# Altium PCB cam_cross_link_generic.PcbDoc (part 3 of 4)
Units mm, origin at the board's own origin, x right, y up, seen from the top; angles counter-clockwise.
Board outline 68.55 x 39.09 mm, 6 copper layers (Signal_T, GND_T, PWR, Signal_INT, GND_B, Signal_B), stack 0.816 mm thick; 173 components, 131 nets, 841 pads, 884 vias.
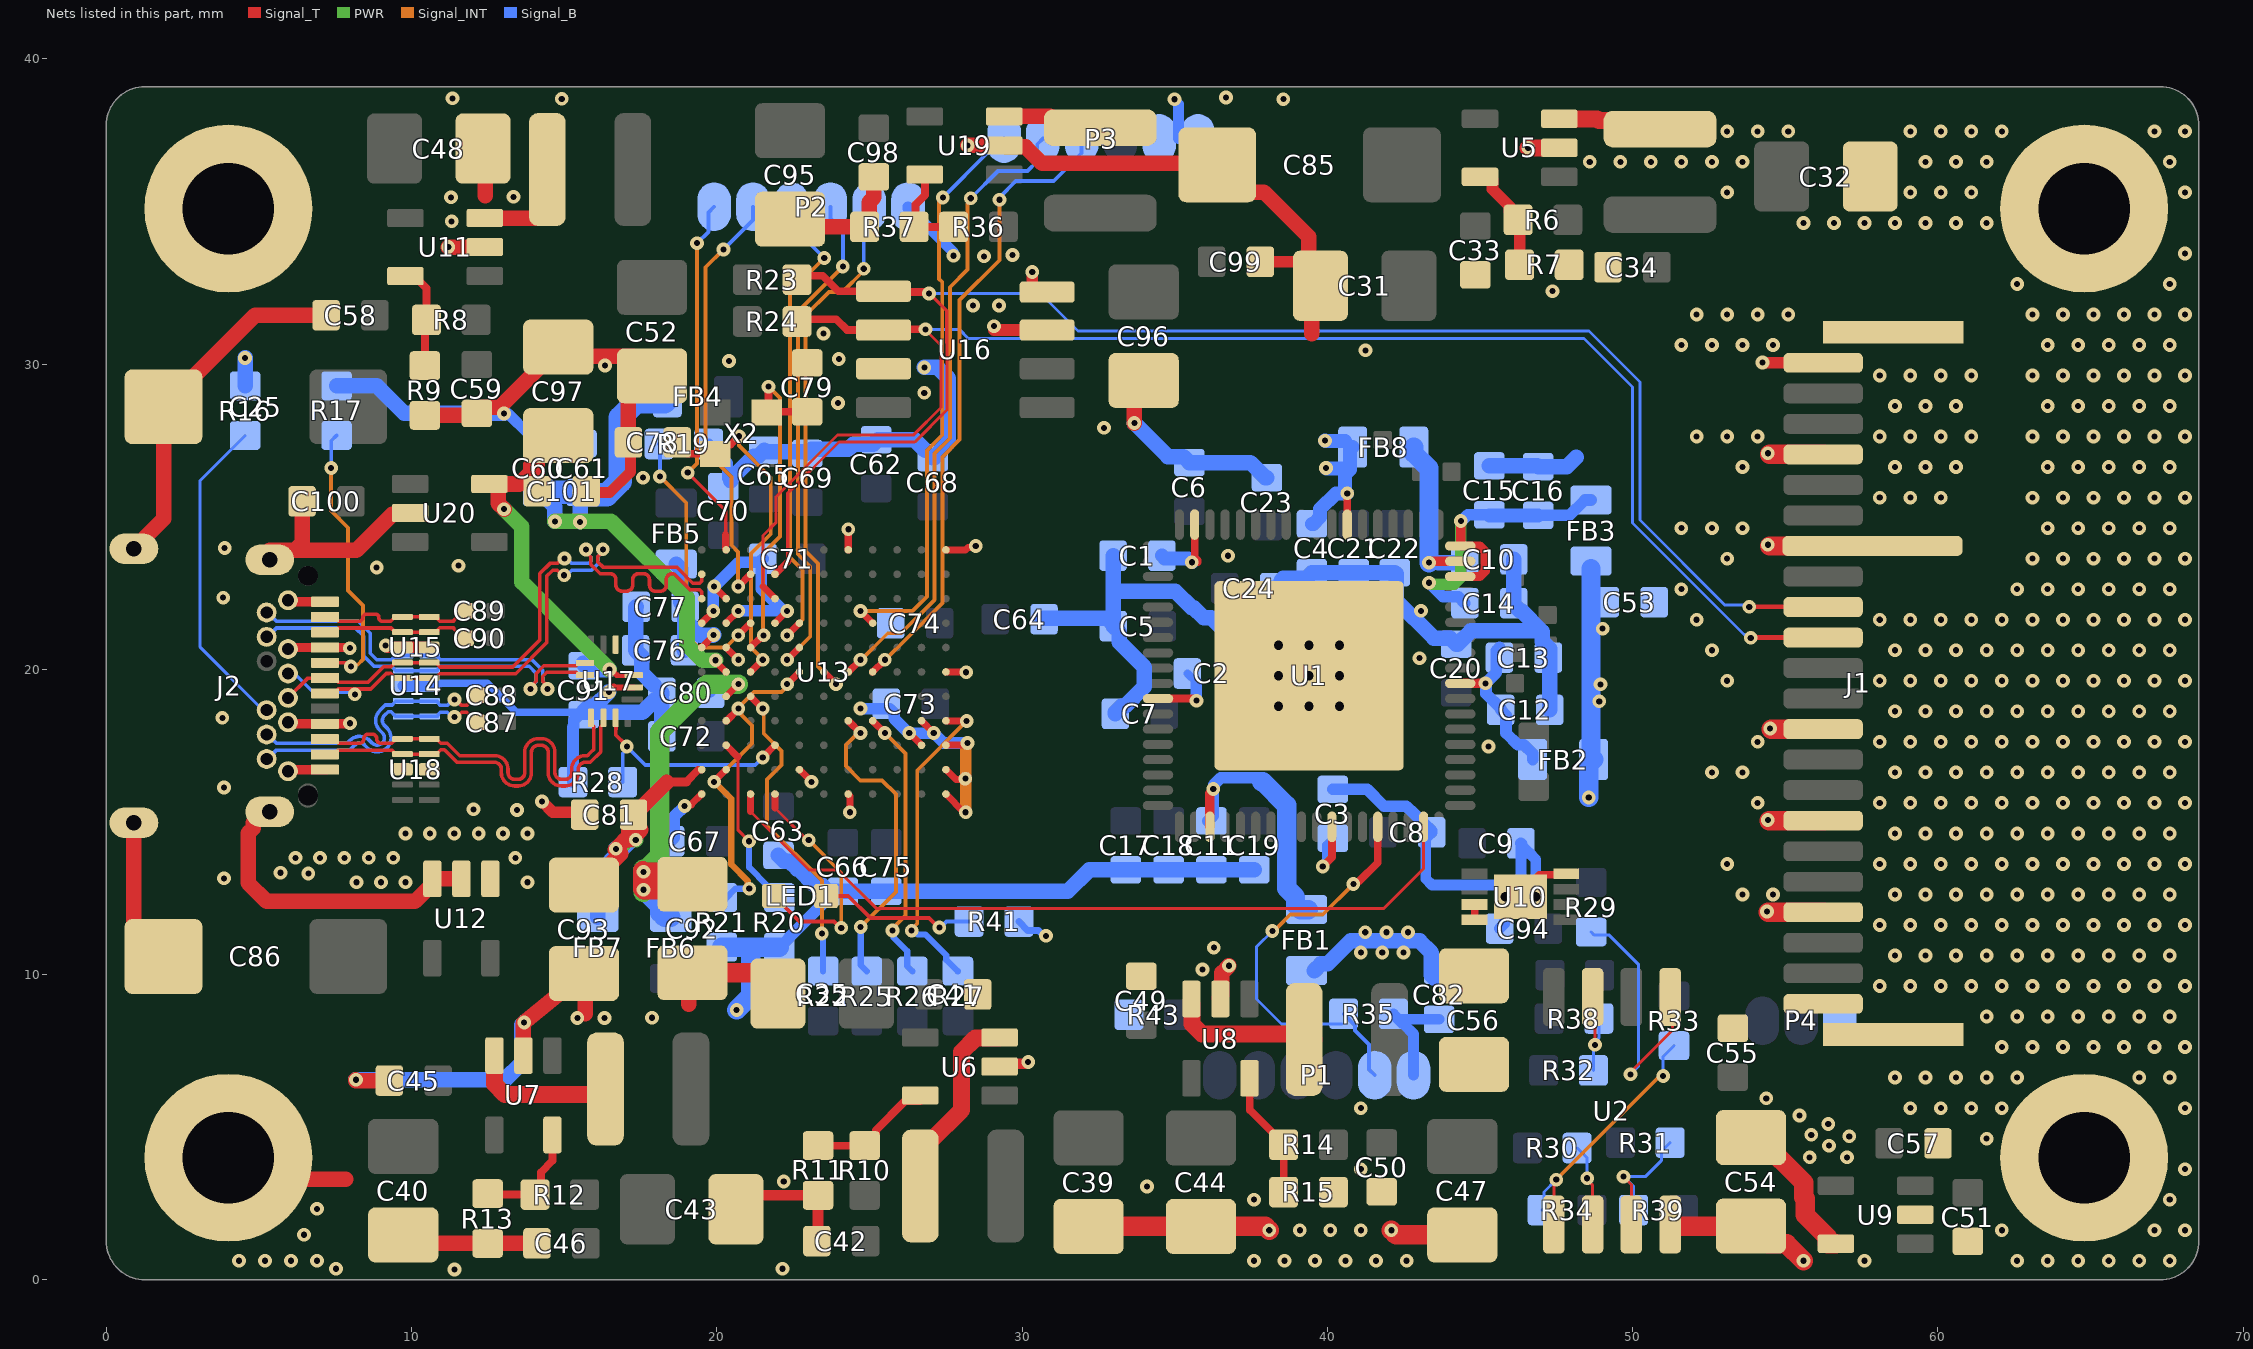
[diagram p7: the nets of this part, all layers, seen from the top]

## Via types
v1: diameter 0.45, hole 0.2, Signal_T to Signal_B, tented both sides, 865 vias
v2: diameter 0.5, hole 0.3, Signal_T to Signal_B, 9 vias
v3: diameter 0.45/0.2/0.2/0.2/0.2/0.2 (per signal layer), hole 0.2, Signal_T to Signal_B, tented both sides, 8 vias
v4: diameter 0.7, hole 0.3, Signal_T to Signal_B, 2 vias

## Nets (pads, with @x,y where several pads share a name; then routed paths per layer and width w, separated by ;. In a path a pad name is that pad's centre, name@x,y a point inside that pad or via, vN(x,y) a via of type N, cw(c..) or ccw(c..) an arc to the next point about the centre after c; other vN are vias at no path point) (continued)
GND: C1.1 C2.1 C3.1 C4.1 C5.1 C6.1 C7.1 C8.1 C9.1 C10.1 C11.1 C12.2 C13.1 C14.1 C15.1 C16.1 C17.1 C18.1 C19.1 C20.1 C21.1 C22.1 C23.1 C24.1 C25.2 C31.2 C32.2 C33.1 C34.1 C35.2 C39.2 C40.2 C41.1 C42.1 C43.2 C44.2 C45.1 C46.1 C47.2 C48.2 C49.1 C50.1 C51.1 C52.2 C53.1 C54.2 C55.1 C56.2 C57.1 C58.1 C59.1 C60.1 C61.1 C62.1 C63.1 C64.1 C65.1 C66.1 C67.1 C68.1 C69.1 C70.1 C71.1 C72.1 C73.1 C74.1 C75.1 C76.1 C77.1 C78.1 C79.1 C80.1 C81.1 C82.1 C85.2 C86.2 C91.1 C92.2 C93.2 C94.1 C95.2 C96.2 C97.2 C98.1 C99.1 C100.1 C101.1 J1.1 J1.4 J1.7 J1.10 J1.16 J1.19 J1.22 J1.23 J1.24 J2.0 J2.A1 J2.A12 J2.B1 J2.B12 P1.1 P2.1 P3.5 P3.6 P4.3 pad.0 R7.2 R9.2 R11.2 R13.2 R15.2 R16.2 R17.2 R19.2 R20.2 R21.2 R28.2 R35.1 R37.2 R41.2 R43.1 U1.73 U2.4 U5.2 U6.2 U7.2 U8.2 U9.2 U10.4 U10.9 U11.2 U12.2 U12.3 U13.A1 U13.A8 U13.B7 U13.B8 U13.B9 U13.D8 U13.E2 U13.G1 U13.G11 U13.K3 U13.K4 U13.L1 U13.L2 U13.L3 U13.L6 U13.L11 U14.3 U14.8 U15.3 U15.8 U16.3 U16.4 U16.7 U17.2 U18.3 U18.8 U19.2 U20.2 | length 297.1
  Signal_T w0.203: v1@16.618,19.409 U17.2@17.285,19.409
  Signal_T w0.229: v1@19.161,15.567 U13.A1@19.507,15.913 ; U13.A8@19.507,21.513 v1@19.888,21.894 ; v1@19.914,22.707 U13.B9@20.307,22.313 ; U13.B7@20.307,20.713 20.701,20.32 v1@20.726,20.32 ; U13.B8@20.307,21.513 20.705,21.911 v1(20.705,21.913) v1@20.705,21.919 ; U13.D8@21.907,21.513 22.289,21.895 v1@22.301,21.895 ; U13.E2@22.707,16.713 v1@23.114,16.307 ; U13.G1@24.307,15.913 24.307,15.901 24.359,15.85 v1(24.359,15.316) ; v1@26.289,17.907 26.314,17.907 U13.K3@26.707,17.513 ; U13.K4@26.707,18.313 27.104,17.917 v1@27.104,17.914 ; U13.L1@27.507,15.913 28.105,15.316 v1(28.154,15.316) ; U13.L2@27.507,16.713 27.832,16.389 28.115,16.389 v1(28.143,16.417) ; U13.L6@27.507,19.913 27.512,19.909 28.164,19.909 v1(28.169,19.904) ; U13.L11@27.507,23.913 28.153,23.913 28.232,23.992 28.463,23.992 v1@28.51,24.039 ; 27.662,17.522 27.516,17.522 U13.L3@27.507,17.513 28.054,17.513 28.182,17.641 28.213,17.61 v1(28.213,17.587)
  Signal_T w0.254: v1(16.466,19.257) v1@16.618,19.409 ; v1(18.948,15.519) 18.996,15.567 v1@19.161,15.567 ; U13.G11@24.307,23.913 24.307,24.584 v1(24.311,24.587) ; U10.9@46.076,12.548 46.226,12.548 46.948,13.27 47.802,13.27 U10.4@47.83,13.298 ; C57.1@60.007,4.47 C57.1@60.122,4.585
  Signal_T w0.305: J2.B1@6.005,16.663 6.055,16.713 J2.A12@7.215,16.713 ; J2.B12@6.005,22.263 6.055,22.213 J2.A1@7.215,22.213
  Signal_T w0.356: C101.1@15.72,25.66 15.851,25.791 16.495,25.791 17.17,26.467 17.17,27.369 C78.1@17.107,27.432 ; C43.2@20.627,2.311 21.084,2.768 R11.2@23.317,2.768 23.317,1.308 C42.1@23.279,1.27 ; U6.2@29.265,6.985 29.357,7.077 30.114,7.077 30.175,7.137 v1(30.201,7.137)
  Signal_T w0.381: v1(9.152,20.777) 9.17,20.777 9.23,20.717 U15.3@9.703,20.717 U15.8@10.577,20.717 ; v1(14.275,15.672) 14.63,15.316 C81.1@15.672,15.316 ; v1(29.083,31.242) 29.083,31.115 U16.3@30.823,31.115 ; v1(30.336,33.013) 30.336,32.519 30.496,32.36 U16.4@30.823,32.36 ; C99.1@37.808,33.35 39.395,33.35 39.774,33.35 C31.2@39.774,32.563 ; v1(54.254,30.048) 54.262,30.041 J1.22@56.246,30.041 ; v1(54.407,12.065) 54.425,12.065 v1@54.449,12.041 ; v1(54.432,15.062) 54.451,15.062 v1@54.472,15.041 ; v1(54.432,24.079) 54.451,24.079 v1@54.489,24.041 ; v1(54.432,27.076) 54.451,27.076 v1@54.486,27.041 ; v1(54.508,18.059) 54.527,18.059 v1@54.545,18.041
  Signal_T w0.508: J2.0@0.904,14.973 0.904,11.565 ccw(c1.877,11.565) C86.2@1.877,10.592 ; J2.0@0.904,23.953 1.071,23.953 1.298,24.18 1.298,24.347 1.877,24.926 C25.2@1.877,28.6 1.927,28.6 2.898,29.571 2.898,29.621 4.874,31.598 C58.1@7.201,31.598 ; pad.0@4,4 4.698,3.302 7.849,3.302 ; J2.0@5.354,15.333 5.187,15.333 4.82,14.966 4.82,14.799 4.648,14.627 4.648,13.005 5.258,12.395 10.109,12.395 10.85,13.136 U12.2@11.633,13.136 ; J2.0@5.354,23.593 5.354,23.901 6.178,23.901 ; C100.1@6.414,25.502 6.414,24.137 6.178,23.901 ; v1(8.179,6.553) 8.179,6.528 C45.1@9.271,6.528 ; C40.2@9.728,1.471 10.005,1.194 R13.2@12.497,1.194 C46.1@14.11,1.194 ; U20.2@9.876,25.121 9.576,25.121 9.53,25.075 9.369,25.075 8.196,23.901 6.178,23.901 ; R9.2@10.439,28.321 12.141,28.321 C59.1@12.141,28.385 12.337,28.581 12.888,28.581 13.912,29.605 14.558,30.251 17.244,30.251 C52.2@17.882,29.614 17.753,29.614 17.107,28.968 C78.1@17.107,27.432 ; v1(11.201,33.833) U11.2@12.4,33.833 ; C48.2@11.709,36.421 C48.2@12.347,37.059 12.421,36.985 12.421,35.509 ; U7.2@13.665,7.345 13.665,8.407 v1(13.691,8.433) C93.2@15.646,10.031 15.697,9.98 15.697,8.712 ; 19.075,9.025 19.075,9.931 C92.2@19.202,10.058 ; C95.2@22.403,34.745 22.403,34.493 R37.2@24.841,34.493 24.994,34.647 24.994,35.307 25.146,35.458 C98.1@25.146,36.132 ; v1(28.219,37.16) U19.2@29.418,37.16 29.464,37.114 30.12,37.114 30.658,36.576 36.345,36.576 C85.2@36.396,36.525 37.286,35.635 37.924,35.635 39.395,34.163 39.395,33.35 39.395,32.942 C31.2@39.774,32.563 39.497,32.286 39.497,30.988 ; v1(33.68,28.067) 33.68,29.462 C96.2@33.985,29.462 ; U8.2@36.455,9.24 36.546,9.331 36.546,10.054 v1(36.779,10.287)
  Signal_T w0.559: v1(46.584,37.084) U5.2@47.604,37.084
  Signal_T w0.635: C92.2@19.202,10.058 21.422,10.058 22.005,9.476 C35.2@22.005,9.377 ; C39.2@32.182,1.75 C44.2@35.865,1.75 37.974,1.75 v1(38.1,1.624) ; v1(42.1,1.624) 42.253,1.471 C47.2@44.425,1.471 ; U2.4@51.232,1.81 51.232,1.792 51.264,1.759 C54.2@53.882,1.759 54.464,1.177 55.048,1.177 v1(55.6,0.624) ; v1@54.449,12.041 J1.4@56.246,12.041 ; v1@54.472,15.041 J1.7@56.246,15.041 ; v1@54.486,27.041 J1.19@56.246,27.041 ; v1@54.489,24.041 J1.16@56.246,24.041 ; v1@54.545,18.041 J1.10@56.246,18.041
  Signal_INT w0.381: v1(28.154,15.316) 28.154,17.51 28.213,17.568 v1(28.213,17.587)
  Signal_B w0.229: R41.2@29.896,11.735 30.184,11.447 30.546,11.447 30.726,11.267 v1(30.786,11.267)
  Signal_B w0.254: U14.8@10.597,19.456 10.67,19.529 10.944,19.529 10.956,19.542 12.483,19.542 13.431,18.593 15.571,18.593 C91.1@15.621,18.593
  Signal_B w0.356: v1(13.032,28.384) 13.05,28.366 13.176,28.366 13.826,27.716 13.826,27.666 14.098,27.394 C60.1@14.148,27.394 ; R19.2@19.736,27.381 19.736,27.356 20.033,27.059 20.058,27.059 20.354,26.764 20.354,26.261 20.43,26.184 C70.1@20.466,26.184 ; P2.1@26.264,35.154 26.264,35.105 26.751,34.618 26.799,34.618 27.739,33.678 27.739,33.566 v1(27.757,33.548) ; v1(34.992,38.674) 34.992,38.649 35.128,38.512 35.128,37.389 ; P1.1@42.824,6.706 42.824,8.052 42.486,8.39 42.461,8.39 42.164,8.687 R35.1@42.164,8.712 42.342,8.534 C82.1@43.663,8.534 ; C8.1@43.421,14.656 43.227,14.462 43.227,13.137 43.436,12.929 46.134,12.929 46.342,13.137 46.342,14.25 46.614,13.978 46.621,13.978 46.83,13.77 v4(46.83,12.548) v4(45.83,12.548) 45.802,12.52 45.802,11.665 C94.1@45.644,11.506
  Signal_B w0.381: U14.3@9.723,19.456 U14.8@10.597,19.456 ; R28.2@15.291,16.307 15.291,18.11 15.311,18.131 15.311,18.334 C91.1@15.571,18.593 ; 18.186,14.901 18.232,14.855 18.232,14.627 C67.1@18.492,14.368 18.61,14.486 18.61,15.181 v1(18.948,15.519) ; v1@19.888,21.895 v1(19.888,21.913) 19.888,22.664 19.914,22.689 19.914,22.708 20.715,23.509 21.401,23.509 C71.1@21.463,23.571 ; v1@20.705,21.919 v1@22.176,21.919 ; C71.1@21.514,23.622 C71.1@21.463,23.571 ; R20.2@22.047,10.896 22.072,10.896 22.357,11.181 22.357,11.206 23.647,12.497 C66.1@23.647,12.725 ; v1@22.301,21.895 22.283,21.895 22.259,21.919 v1@22.176,21.919 ; v1@24.72,18.694 24.733,18.707 25.67,18.707 25.814,18.562 25.814,18.382 26.289,17.907 27.097,17.907 27.104,17.914 27.431,17.587 v1(28.213,17.587) ; C3.1@40.183,16.065 41.313,16.065 41.859,15.519 42.591,15.519 42.831,15.279 42.833,15.279 43.147,14.965 43.162,14.965 43.421,14.706 C8.1@43.421,14.656 ; C9.1@46.342,14.3 C9.1@46.364,14.279 ; C71.1@21.463,23.571 21.463,22.631 v1@22.176,21.919
  Signal_B w0.508: v1(4.547,30.201) 4.547,29.291 R16.2@4.551,29.286 ; R17.2@7.544,29.286 8.864,29.286 9.767,28.384 v1(13.032,28.384) ; v1(8.179,6.553) 13.056,6.553 13.614,7.112 13.614,8.357 v1(13.691,8.433) ; v1(16.466,19.257) 15.998,18.789 15.817,18.789 15.621,18.593 17.564,18.593 17.953,18.982 18.003,18.982 18.199,19.178 C80.1@18.199,19.228 ; C77.1@17.361,22.047 17.351,22.038 17.351,20.632 C76.1@17.342,20.623 17.538,20.427 17.538,19.889 C80.1@17.953,19.474 ; C72.1@18.199,17.682 C72.1@18.199,17.805 C80.1@18.199,18.982 ; C70.1@20.466,26.184 20.466,26.234 21.215,26.984 21.363,26.984 C65.1@21.559,27.18 21.613,27.125 22.912,27.125 C69.1@22.967,27.071 23.099,27.203 24.308,27.203 24.476,27.372 25.124,27.372 25.273,27.521 26.48,27.521 C68.1@26.83,27.17 ; C63.1@22.022,13.907 22.218,13.711 22.387,13.711 22.643,13.455 22.674,13.455 23.208,12.921 23.451,12.921 23.647,12.725 C66.1@24.13,12.725 C75.1@25.552,12.725 31.496,12.725 32.202,13.432 C17.1@33.401,13.432 C18.1@34.803,13.432 C11.1@36.206,13.432 C19.1@37.608,13.432 ; v1(26.801,29.889) 27.235,29.889 27.584,29.54 27.584,27.432 27.322,27.17 27.322,27.12 27.126,26.924 C68.1@27.076,26.924 ; C64.1@30.67,21.666 C5.1@32.741,21.666 ; C5.1@32.749,21.658 32.799,21.658 C5.1@32.982,21.475 ; C1.1@32.982,23.724 32.982,22.599 ; C7.1@33.058,18.542 33.058,18.592 33.254,18.788 33.368,18.788 34.011,19.431 34.011,20.066 33.191,20.886 33.191,21.216 C5.1@32.995,21.412 32.995,21.462 C5.1@32.982,21.475 ; v1(33.68,28.067) 34.78,26.967 35.288,26.967 C6.1@35.484,26.771 37.48,26.771 37.778,26.474 37.778,26.472 37.974,26.276 C23.1@38.024,26.276 ; C24.1@38.24,22.657 38.23,22.648 38.23,21.72 37.7,21.19 ; v2(38.405,19.79) 38.331,19.863 C2.1@37.02,19.863 37.169,20.012 37.169,20.659 37.7,21.19 ; C24.1@38.486,22.903 38.566,22.983 39.315,22.983 C4.1@39.497,23.165 C21.1@40.869,23.165 C22.1@42.215,23.165 42.256,23.124 42.256,22.26 43.492,21.024 44.027,21.024 C20.1@44.223,20.828 44.273,20.828 44.704,21.26 47.016,21.26 ; C15.1@45.309,26.662 46.886,26.662 C16.1@46.907,26.641 46.909,26.643 47.852,26.643 48.158,26.949 ; C10.1@46.109,23.598 C14.1@46.109,22.167 46.109,22.117 46.305,21.921 46.355,21.921 47.016,21.26 ; C12.2@47.282,18.669 47.282,20.672 47.044,20.91 47.044,21.232 47.016,21.26 ; C5.1@32.982,21.475 32.982,22.599 ; 32.982,22.599 33.026,22.555 35.027,22.555 35.565,22.017 35.623,22.017 35.949,21.692 36.195,21.692 36.697,21.19 37.7,21.19
  Signal_B w0.635: R21.2@20.168,10.896 21.107,10.896 ; v1(20.65,8.839) 21.107,9.296 21.107,10.896 ; R20.2@22.047,10.896 21.107,10.896
  Signal_B w0.762: 14.784,27.392 C61.1@15.221,27.392
  other v1: 11.41,0.336 7.524,0.362 22.155,0.362 4.35,0.624 5.2,0.624 6.05,0.624 6.9,0.624 37.6,0.624 38.6,0.624 39.6,0.624 40.6,0.624 41.6,0.624 42.6,0.624 57.6,0.624 62.6,0.624 63.6,0.624 64.6,0.624 65.6,0.624 66.6,0.624 67.6,0.624 6.475,1.474 39.1,1.624 40.1,1.624 41.1,1.624 62.1,1.624 67.1,1.624 68.1,1.624 6.9,2.324 37.6,2.624 67.6,2.624 34.093,3.054 22.193,3.221 41.1,3.624 68.1,3.624 61.6,4.624 41.1,5.624 59.1,5.624 60.1,5.624 61.1,5.624 62.1,5.624 68.1,5.624 58.6,6.624 59.6,6.624 60.6,6.624 61.6,6.624 62.6,6.624 66.6,6.624 67.6,6.624 62.1,7.624 63.1,7.624 64.1,7.624 65.1,7.624 66.1,7.624 67.1,7.624 68.1,7.624 15.431,8.573 16.32,8.573 17.877,8.586 61.6,8.624 62.6,8.624 63.6,8.624 64.6,8.624 65.6,8.624 66.6,8.624 67.6,8.624 58.1,9.624 59.1,9.624 60.1,9.624 61.1,9.624 62.1,9.624 63.1,9.624 64.1,9.624 65.1,9.624 66.1,9.624 67.1,9.624 68.1,9.624 35.913,10.164 58.6,10.624 59.6,10.624 60.6,10.624 61.6,10.624 62.6,10.624 63.6,10.624 64.6,10.624 65.6,10.624 66.6,10.624 67.6,10.624 36.284,10.88 58.1,11.624 59.1,11.624 60.1,11.624 61.1,11.624 62.1,11.624 63.1,11.624 64.1,11.624 65.1,11.624 66.1,11.624 67.1,11.624 68.1,11.624 53.6,12.624 54.6,12.624 58.6,12.624 59.6,12.624 60.6,12.624 61.6,12.624 62.6,12.624 63.6,12.624 64.6,12.624 65.6,12.624 66.6,12.624 67.6,12.624 3.854,13.152 53.1,13.624 58.1,13.624 59.1,13.624 60.1,13.624 61.1,13.624 62.1,13.624 63.1,13.624 64.1,13.624 65.1,13.624 66.1,13.624 67.1,13.624 68.1,13.624 58.6,14.624 59.6,14.624 60.6,14.624 61.6,14.624 62.6,14.624 63.6,14.624 64.6,14.624 65.6,14.624 66.6,14.624 67.6,14.624 13.455,15.388 12.033,15.413 54.1,15.624 58.1,15.624 59.1,15.624 60.1,15.624 61.1,15.624 62.1,15.624 63.1,15.624 64.1,15.624 65.1,15.624 66.1,15.624 67.1,15.624 68.1,15.624 3.854,16.124 23.107,16.313 52.6,16.624 53.6,16.624 58.6,16.624 59.6,16.624 60.6,16.624 61.6,16.624 62.6,16.624 63.6,16.624 64.6,16.624 65.6,16.624 66.6,16.624 67.6,16.624 45.281,17.47 54.1,17.624 58.1,17.624 59.1,17.624 60.1,17.624 61.1,17.624 62.1,17.624 63.1,17.624 64.1,17.624 65.1,17.624 66.1,17.624 67.1,17.624 68.1,17.624 26.307,17.913 27.107,17.913 3.803,18.41 58.6,18.624 59.6,18.624 60.6,18.624 61.6,18.624 62.6,18.624 63.6,18.624 64.6,18.624 65.6,18.624 66.6,18.624 67.6,18.624 24.707,18.713 53.1,19.624 58.1,19.624 59.1,19.624 60.1,19.624 61.1,19.624 62.1,19.624 63.1,19.624 64.1,19.624 65.1,19.624 66.1,19.624 67.1,19.624 68.1,19.624 20.707,20.313 43.021,20.366 52.6,20.624 58.6,20.624 59.6,20.624 60.6,20.624 61.6,20.624 62.6,20.624 63.6,20.624 64.6,20.624 65.6,20.624 66.6,20.624 67.6,20.624 52.1,21.624 58.1,21.624 59.1,21.624 60.1,21.624 61.1,21.624 62.1,21.624 63.1,21.624 64.1,21.624 65.1,21.624 66.1,21.624 67.1,21.624 68.1,21.624 22.307,21.913 43.072,21.915 3.829,22.347 51.6,22.624 62.6,22.624 63.6,22.624 64.6,22.624 65.6,22.624 66.6,22.624 67.6,22.624 19.914,22.713 8.858,23.338 11.539,23.395 53.1,23.624 63.1,23.624 64.1,23.624 65.1,23.624 66.1,23.624 67.1,23.624 68.1,23.624 36.747,23.719 3.879,23.973 28.485,24.039 51.6,24.624 52.6,24.624 53.6,24.624 63.6,24.624 64.6,24.624 65.6,24.624 66.6,24.624 67.6,24.624 58.1,25.624 59.1,25.624 60.1,25.624 63.1,25.624 64.1,25.624 65.1,25.624 66.1,25.624 67.1,25.624 68.1,25.624 17.585,26.278 53.6,26.624 58.6,26.624 59.6,26.624 60.6,26.624 63.6,26.624 64.6,26.624 65.6,26.624 66.6,26.624 67.6,26.624 52.1,27.624 53.1,27.624 54.1,27.624 58.1,27.624 59.1,27.624 60.1,27.624 61.1,27.624 63.1,27.624 64.1,27.624 65.1,27.624 66.1,27.624 67.1,27.624 68.1,27.624 32.683,27.91 58.6,28.624 59.6,28.624 60.6,28.624 63.6,28.624 64.6,28.624 65.6,28.624 66.6,28.624 67.6,28.624 23.972,28.722 26.797,29.058 58.1,29.624 59.1,29.624 60.1,29.624 61.1,29.624 63.1,29.624 64.1,29.624 65.1,29.624 66.1,29.624 67.1,29.624 68.1,29.624 16.342,29.954 20.404,30.101 23.998,30.169 41.254,30.449 51.6,30.624 52.6,30.624 53.6,30.624 54.6,30.624 63.6,30.624 64.6,30.624 65.6,30.624 66.6,30.624 67.6,30.624 23.494,30.999 52.1,31.624 53.1,31.624 54.1,31.624 55.1,31.624 63.1,31.624 64.1,31.624 65.1,31.624 66.1,31.624 67.1,31.624 68.1,31.624 28.392,31.919 29.245,31.919 47.375,32.389 62.6,32.624 67.6,32.624 28.753,33.528 29.685,33.575 68.1,33.624 55.6,34.624 56.6,34.624 57.6,34.624 58.6,34.624 59.6,34.624 60.6,34.624 61.6,34.624 11.315,34.675 11.289,35.462 13.341,35.479 53.1,35.624 59.1,35.624 60.1,35.624 61.1,35.624 68.1,35.624 48.6,36.624 49.6,36.624 50.6,36.624 51.6,36.624 52.6,36.624 53.6,36.624 59.6,36.624 60.6,36.624 61.6,36.624 67.6,36.624 53.1,37.624 54.1,37.624 55.1,37.624 59.1,37.624 60.1,37.624 61.1,37.624 62.1,37.624 67.1,37.624 68.1,37.624 14.922,38.688 38.562,38.679 11.343,38.704 36.681,38.733
  other v2: 38.405,18.79 39.405,18.79 40.405,18.79 39.404,19.79 40.405,19.79 38.405,20.79 39.405,20.79 40.405,20.79
GPIO22: P3.2 U13.G6 | length 21
  Signal_T w0.229: U13.G6@24.307,19.913 24.689,20.295 v1@24.714,20.295
  Signal_INT w0.127: v1@24.714,20.295 25.6,21.18 26.039,21.18 27.135,22.277 27.135,27.067 27.639,27.57 27.639,32.516 28.219,33.096 28.219,35.244 28.321,35.346 v1(28.321,35.433)
  Signal_B w0.127: v1(28.321,35.433) 29.21,36.322 30.175,36.322 30.497,36.644 30.497,37.203 P3.2@30.683,37.389
  other v1: 24.707,20.313
GPIO24: P3.1 U13.H8 | length 19.1
  Signal_T w0.229: v1@24.714,21.907 U13.H8@25.107,21.513
  Signal_INT w0.127: v1@24.714,21.907 26.406,21.907 26.881,22.382 26.881,27.172 27.385,27.676 27.385,32.686 27.28,32.791 27.28,35.384 27.354,35.458 v1(27.407,35.458)
  Signal_B w0.127: v1(27.407,35.458) 28.853,36.905 28.916,36.905 29.4,37.389 P3.1@29.413,37.389
  other v1: 24.707,21.913
GPIO26: P3.3 U13.H6 | length 21.1
  Signal_T w0.229: U13.H6@25.107,19.913 25.489,20.295 v1@25.502,20.295
  Signal_INT w0.127: v1@25.502,20.295 25.837,20.63 25.848,20.63 27.389,22.172 27.389,26.961 27.953,27.525 27.953,32.093 29.261,33.401 v1(29.261,35.382)
  Signal_B w0.127: v1(29.261,35.382) 29.261,35.458 29.794,35.992 31.039,35.992 31.953,36.906 P3.3@31.953,37.389
  other v1: 25.507,20.313
JTAG_EN: P1.2 R35.2 U1.50 | length 13.1
  Signal_T w0.254: v1@41.05,13.063 41.655,13.668 U1.50@41.655,14.84
  Signal_INT w0.127: v1@38.379,11.557 38.786,11.963 39.852,11.963 v1(40.854,12.965)
  Signal_B w0.096: v1(38.202,11.43) 37.682,10.91 37.682,9.197 38.503,8.376 39.572,8.376 39.573,8.375 R35.2@40.478,8.375
  Signal_B w0.127: R35.2@40.538,8.712 40.913,8.337 40.913,8.166 41.368,7.711 41.368,6.892 P1.2@41.554,6.706
LDO_1V0: C53.2 C54.1 FB2.1 FB3.1 U9.5 | length 12.3
  Signal_T w0.635: C54.1@54.051,4.602 54.189,4.602 55.612,3.179 55.612,2.702 55.656,2.658 55.656,2.124 56.38,1.4 56.38,1.201 56.398,1.184 U9.5@56.663,1.184
  Signal_B w0.635: v1(48.565,15.799) 48.565,16.314 48.569,16.318 48.569,16.886 FB2.1@48.727,17.043 48.641,17.129 FB3.1@48.641,23.292
  other v1: 48.909,18.95 48.95,19.508 49.021,21.331
  other v3: 55.804,4.013 57.023,4.013 56.439,4.394 57.099,4.699 55.855,4.75 56.413,5.105 55.474,5.385 54.381,5.944
LDO_1V8: C1.2 C2.2 C3.2 C4.2 C56.1 C82.2 FB1.1 FB8.1 U1.7 U1.17 U1.29 U1.47 U10.7 U10.8 | length 18.6
  Signal_T w0.254: U1.29@34.455,19.04 35.594,19.04 35.659,18.974 v1(35.712,18.974) ; U1.17@35.655,24.74 35.655,23.659 35.684,23.63 35.753,23.561 v1@35.753,23.508 ; v1(39.853,13.538) 40.155,13.84 U1.47@40.155,14.84 ; U1.7@40.655,24.74 v1(40.655,25.764) ; U10.8@44.83,11.798 U10.7@44.83,12.298
  Signal_B w0.254: C2.2@35.42,19.863 C2.2@35.712,19.571 ; v1(39.853,13.538) 39.853,13.591 39.959,13.698 39.959,14.242 C3.2@40.183,14.465
  Signal_B w0.381: v1(35.712,18.974) C2.2@35.712,19.571
  Signal_B w0.457: C1.2@34.582,23.724 34.669,23.636 35.434,23.636 v1(35.563,23.508) ; C4.2@39.497,24.765 39.547,24.765 39.768,24.986 39.768,25.249 40.283,25.764 v1(40.655,25.764) ; v1(39.924,27.49) 39.941,27.473 FB8.1@40.587,27.473 ; v1@39.976,26.575 40.623,26.575 ; v1@40.578,25.795 40.578,26.379 40.742,26.543 40.742,27.187 FB8.1@40.834,27.28
  Signal_B w0.508: FB1.1@39.573,10.125 39.794,10.346 40.013,10.346 40.767,11.1 43.028,11.1 43.406,10.722 43.406,9.985 C82.2@43.51,9.881
  other v1: 41.1,10.724 41.8,10.724 42.5,10.724 41.243,11.386 41.943,11.386 42.643,11.386 39.959,26.592
LDO_3V3: C91.2 C97.1 C101.2 U17.3 U20.5 | length 14.1
  Signal_T w0.178: v1(16.485,19.99) 16.537,19.99 16.718,19.809 U17.3@17.285,19.809
  Signal_T w0.508: U20.5@12.552,26.071 U20.5@12.793,26.071 ; v1(13.03,25.248) 12.839,25.439 12.839,26.025 U20.5@12.793,26.071 ; C101.2@14.12,25.66 C97.1@14.12,26.913 ; C97.1@14.808,27.605 14.12,27.605 C97.1@14.12,26.913 ; U20.5@12.793,26.071 13.527,26.071 13.912,26.455 13.912,26.705 C97.1@14.12,26.913
  PWR w0.508: v1(13.03,25.248) 13.614,24.663 13.614,22.86 v1(16.485,19.99)
  Signal_B w0.508: C91.2@15.621,20.193 15.817,19.997 16.157,19.997 16.165,19.99 v1(16.485,19.99)
LED: LED1.A U13.D1 | length 7.9
  Signal_T w0.102: 21.907,15.456 22.962,14.402 v1(23.012,14.402)
  Signal_T w0.127: LED1.A@21.883,12.573 21.883,12.56 22.705,11.737 23.843,11.737 24.049,11.532 v1(24.079,11.532)
  Signal_T w0.229: 21.907,15.456 U13.D1@21.907,15.913
  Signal_INT w0.127: v1(23.012,14.402) 24.079,13.335 v1(24.079,11.532)
NetC10_2: C10.2 FB8.2 U1.71 | length 6
  Signal_T w0.305: v1(43.332,23.495) 43.372,23.495 43.416,23.54 U1.71@44.355,23.54
  Signal_B w0.381: v1(43.332,23.495) 43.637,23.495
  Signal_B w0.508: 43.637,23.495 C10.2@44.272,23.495
  Signal_B w0.635: FB8.2@42.834,27.28 42.834,27.08 43.332,26.581 v1(43.332,23.495)
NetC11_2: C11.2 FB1.2 U1.39 | length 9.3
  Signal_T w0.305: U1.39@36.155,14.84 36.155,15.933 36.265,16.043 v1(36.265,16.082)
  Signal_B w0.381: C11.2@36.092,15.032 36.265,15.204 v1(36.265,16.082) 36.278,16.096 36.278,16.224 36.505,16.451 37.717,16.451 37.848,16.32
  Signal_B w0.635: 37.848,16.32 37.888,16.32 38.668,15.54 38.668,12.831 38.96,12.538 38.96,12.289 39.124,12.125 FB1.2@39.373,12.125
NetC12_1: C12.1 C13.2 FB2.2 U1.63 | length 5.4
  Signal_T w0.305: U1.63@44.355,19.54 v1(45.187,19.54)
  Signal_B w0.381: C13.2@45.64,20.714 45.535,20.609 45.535,19.888 v1(45.187,19.54) 45.2,19.526 45.2,19.201 45.682,18.719 C12.1@45.682,18.669 45.857,18.494 45.857,17.913 46.242,17.528 46.442,17.528 46.727,17.243 FB2.2@46.727,17.043
NetC14_2: C14.2 C15.2 C16.2 FB3.2 U1.70 U1.72 | length 12.3
  Signal_T w0.305: U1.70@44.355,23.04 44.995,23.04 45.174,23.218 45.174,23.861 44.995,24.04 44.397,24.04 44.399,24.042 44.359,24.082 44.377,24.1 v1(44.377,24.855)
  PWR w0.381: v1(43.332,22.835) 43.351,22.835 43.402,22.784 44.154,22.784 44.377,23.007 v1(44.377,24.855)
  Signal_B w0.381: v1(43.332,22.835) 43.79,22.377 44.298,22.377 C14.2@44.509,22.167 ; v1@44.369,24.829 44.602,25.062 C15.2@45.309,25.062 ; C16.2@46.907,25.041 47.937,25.041 48.441,25.546 FB3.2@48.641,25.546